# KiCad board PCB.kicad_pcb (continued)
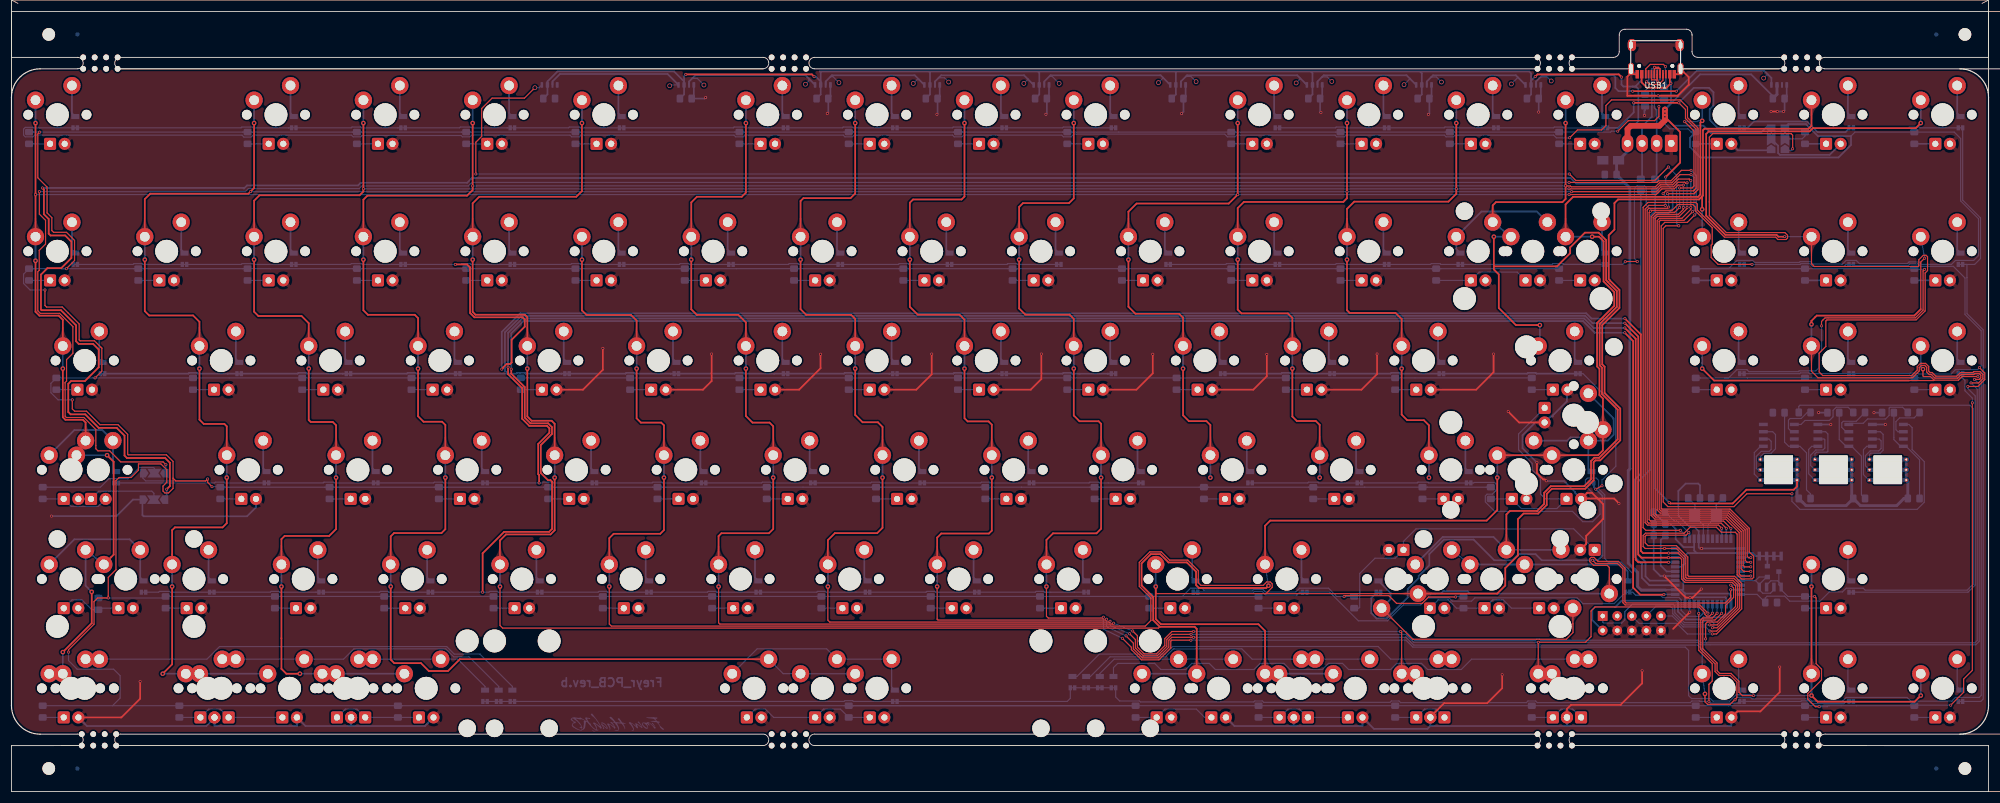
[diagram p0: board, top side]
## Copper pours and planes (outline as drawn; the poured copper is in the pictures) (continued)
GND on Bottom: 35.53,11.43 35.54,11.47 35.56,11.52 35.59,11.57 35.63,11.63 35.68,11.7 35.74,11.78 35.82,11.86 35.91,11.96 36.01,12.06 36.12,12.17 35.38,13.44 34.65,12.17 34.76,12.06 34.86,11.96 34.95,11.86 35.02,11.78 35.09,11.7 35.14,11.63 35.18,11.57 35.21,11.52 35.23,11.47 35.23,11.43
GND on Bottom: 49.9,11.43 49.91,11.47 49.92,11.52 49.95,11.57 49.99,11.63 50.05,11.7 50.11,11.78 50.19,11.86 50.27,11.96 50.37,12.06 50.49,12.17 49.75,13.44 49.02,12.17 49.13,12.06 49.23,11.96 49.31,11.86 49.39,11.78 49.45,11.7 49.51,11.63 49.55,11.57 49.58,11.52 49.59,11.47 49.6,11.43
GND on Bottom: 34.08,11.31 34.18,11.42 34.28,11.52 34.4,11.6 34.51,11.67 34.64,11.73 34.77,11.78 34.91,11.82 35.06,11.85 35.21,11.87 35.37,11.87 35.75,13.29 34.33,12.91 34.33,12.75 34.32,12.59 34.3,12.44 34.26,12.29 34.22,12.15 34.17,12.02 34.11,11.89 34.04,11.76 33.96,11.64 33.87,11.53
GND on Bottom: 34.08,11.31 34.18,11.42 34.28,11.52 34.4,11.6 34.51,11.67 34.64,11.73 34.77,11.78 34.91,11.82 35.06,11.85 35.21,11.87 35.37,11.87 35.75,13.29 34.33,12.91 34.33,12.75 34.32,12.59 34.3,12.44 34.26,12.29 34.22,12.15 34.17,12.02 34.11,11.89 34.04,11.76 33.96,11.64 33.87,11.53
GND on Bottom: 12.81,11.98 12.78,12.01 12.77,12.05 12.75,12.11 12.73,12.18 12.72,12.27 12.71,12.37 12.71,12.48 12.7,12.61 12.7,12.75 12.7,12.91 11.28,13.29 11.66,11.87 11.82,11.87 11.96,11.87 12.09,11.86 12.2,11.86 12.3,11.85 12.39,11.84 12.46,11.82 12.52,11.8 12.56,11.79 12.59,11.76
GND on Bottom: 272.43,51.96 272.45,51.93 272.47,51.89 272.49,51.83 272.5,51.76 272.52,51.67 272.52,51.57 272.53,51.46 272.54,51.33 272.54,51.19 272.54,51.03 273.96,50.65 273.58,52.07 273.42,52.07 273.28,52.07 273.15,52.08 273.03,52.08 272.93,52.09 272.85,52.1 272.78,52.12 272.72,52.14 272.67,52.15 272.64,52.18
GND on Bottom: 265.62,64.2 265.68,64.2 265.75,64.18 265.82,64.15 265.9,64.11 265.98,64.06 266.07,63.99 266.17,63.92 266.27,63.83 266.38,63.73 266.49,63.62 267.76,64.35 266.49,65.09 266.38,64.98 266.27,64.88 266.17,64.79 266.07,64.72 265.98,64.65 265.9,64.6 265.82,64.56 265.75,64.53 265.68,64.51 265.62,64.5
GND on Bottom: 268.18,65.51 268.15,65.49 268.11,65.47 268.05,65.45 267.98,65.44 267.89,65.43 267.79,65.42 267.68,65.41 267.55,65.41 267.41,65.4 267.25,65.4 266.87,63.98 268.29,64.37 268.29,64.52 268.29,64.66 268.29,64.79 268.3,64.91 268.31,65.01 268.32,65.09 268.34,65.17 268.35,65.22 268.37,65.27 268.39,65.3
GND on Bottom: 271.27,68.04 271.29,68.18 271.32,68.32 271.37,68.45 271.42,68.58 271.48,68.71 271.55,68.84 271.64,68.96 271.73,69.09 271.83,69.2 271.94,69.32 271.21,70.59 270.47,69.32 270.58,69.2 270.68,69.09 270.76,68.96 270.83,68.84 270.89,68.71 270.93,68.58 270.96,68.45 270.98,68.32 270.98,68.18 270.97,68.04
GND on Bottom: 301.01,111.91 300.98,111.96 300.94,112.01 300.92,112.08 300.89,112.17 300.87,112.26 300.86,112.37 300.84,112.49 300.84,112.62 300.83,112.76 300.83,112.92 299.41,113.3 299.79,111.88 299.95,111.88 300.09,111.88 300.23,111.87 300.35,111.86 300.45,111.84 300.55,111.82 300.63,111.8 300.7,111.77 300.76,111.74 300.8,111.7
GND on Bottom: 0,13 0,15.01 0,121 0,123.5 1,125.01 2.5,126 4.61,126.01 283,126.01 283,132.01 291,132.01 291,126.01 339.5,126.01 342.11,126.01 343.61,125.01 344.61,123.51 344.61,13.01 343.61,11.01 341.61,10.01 340,10.01 5,10.01 2.5,10 1,11
VCC on Top: 281.18,114.31 281.18,114.24 281.18,114.16 281.17,114.1 281.15,114.03 281.13,113.97 281.11,113.91 281.09,113.86 281.06,113.81 281.02,113.77 280.98,113.73 281.68,112.51 282.38,113.73 282.35,113.77 282.31,113.81 282.28,113.86 282.26,113.91 282.23,113.97 282.22,114.03 282.2,114.1 282.19,114.16 282.19,114.24 282.18,114.31
VCC on Bottom: 281.53,115 281.53,114.85 281.51,114.71 281.48,114.58 281.45,114.44 281.4,114.31 281.34,114.19 281.26,114.07 281.18,113.95 281.09,113.84 280.98,113.73 281.68,112.51 282.38,113.73 282.28,113.84 282.19,113.95 282.1,114.07 282.03,114.19 281.97,114.31 281.92,114.44 281.88,114.58 281.86,114.71 281.84,114.85 281.83,115
VCC on Bottom: 276.06,29.16 276.14,29.07 276.22,28.97 276.29,28.87 276.35,28.77 276.4,28.66 276.44,28.55 276.47,28.44 276.49,28.32 276.5,28.2 276.51,28.08 277.66,27.77 277.35,28.92 277.22,28.93 277.1,28.94 276.99,28.96 276.88,28.99 276.77,29.03 276.66,29.08 276.56,29.14 276.46,29.21 276.36,29.29 276.27,29.37
VCC on Bottom: 281.93,111.63 281.94,111.68 281.95,111.73 281.97,111.79 282.01,111.85 282.05,111.91 282.1,111.98 282.15,112.05 282.22,112.13 282.3,112.21 282.38,112.3 281.68,113.51 280.98,112.3 281.07,112.21 281.15,112.13 281.21,112.05 281.27,111.98 281.32,111.91 281.36,111.85 281.39,111.79 281.42,111.73 281.43,111.68 281.43,111.63
/Caps_LED on Bottom: 289.33,30.71 289.19,30.72 289.05,30.73 288.92,30.76 288.79,30.79 288.67,30.84 288.55,30.89 288.44,30.96 288.33,31.03 288.22,31.11 288.12,31.21 287.09,30.61 288.12,30.02 288.22,30.11 288.33,30.2 288.44,30.27 288.55,30.34 288.67,30.39 288.79,30.43 288.92,30.47 289.05,30.49 289.19,30.51 289.33,30.51
/Col1 on Top: 4.04,100 4.03,99.74 4,99.49 3.96,99.25 3.9,99.02 3.81,98.8 3.72,98.58 3.6,98.38 3.46,98.18 3.31,97.99 3.14,97.81 4.19,95.99 5.24,97.81 5.07,97.99 4.92,98.18 4.78,98.38 4.66,98.58 4.56,98.8 4.48,99.02 4.42,99.25 4.38,99.49 4.35,99.74 4.34,100
/Col1 on Top: 208.83,61.9 208.82,61.64 208.79,61.39 208.75,61.15 208.68,60.92 208.6,60.7 208.5,60.48 208.39,60.28 208.25,60.08 208.1,59.89 207.93,59.71 208.98,57.89 210.03,59.71 209.86,59.89 209.7,60.08 209.57,60.28 209.45,60.48 209.35,60.7 209.27,60.92 209.21,61.15 209.16,61.39 209.14,61.64 209.13,61.9
/Col1 on Top: 204.06,80.95 204.06,80.69 204.03,80.44 203.98,80.2 203.92,79.97 203.84,79.75 203.74,79.53 203.62,79.33 203.49,79.13 203.34,78.94 203.16,78.76 204.21,76.94 205.26,78.76 205.09,78.94 204.94,79.13 204.81,79.33 204.69,79.53 204.59,79.75 204.51,79.97 204.45,80.2 204.4,80.44 204.37,80.69 204.36,80.95
/Col1 on Top: 194.54,100 194.53,99.74 194.5,99.49 194.46,99.25 194.4,99.02 194.31,98.8 194.22,98.58 194.1,98.38 193.96,98.18 193.81,97.99 193.64,97.81 194.69,95.99 195.74,97.81 195.57,97.99 195.42,98.18 195.28,98.38 195.16,98.58 195.06,98.8 194.98,99.02 194.92,99.25 194.88,99.49 194.85,99.74 194.84,100
/Col1 on Top: 12.77,64.35 12.76,64.11 12.73,63.88 12.69,63.65 12.63,63.43 12.55,63.22 12.45,63.01 12.33,62.81 12.19,62.62 12.04,62.43 11.87,62.25 12.92,60.43 13.97,62.25 13.8,62.43 13.65,62.62 13.51,62.81 13.39,63.01 13.3,63.22 13.21,63.43 13.15,63.65 13.11,63.88 13.08,64.11 13.07,64.35
/Col1 on Top: 8.8,80.95 8.79,80.69 8.77,80.44 8.72,80.2 8.66,79.97 8.58,79.75 8.48,79.53 8.36,79.33 8.23,79.13 8.07,78.94 7.9,78.76 8.95,76.94 10,78.76 9.83,78.94 9.68,79.13 9.54,79.33 9.43,79.53 9.33,79.75 9.25,79.97 9.18,80.2 9.14,80.44 9.11,80.69 9.1,80.95
/Col1 on Top: 11.46,58.56 11.58,58.73 11.71,58.89 11.85,59.04 12.01,59.17 12.18,59.29 12.37,59.4 12.57,59.5 12.78,59.58 13,59.65 13.24,59.71 13.32,61.82 11.46,60.83 11.51,60.59 11.55,60.35 11.56,60.12 11.56,59.9 11.55,59.69 11.51,59.48 11.46,59.28 11.39,59.09 11.31,58.9 11.21,58.72
/Col1 on Top: 12.79,61.26 12.68,61.09 12.55,60.93 12.4,60.78 12.24,60.65 12.07,60.53 11.89,60.42 11.69,60.32 11.48,60.24 11.25,60.17 11.01,60.1 10.94,58 12.79,58.99 12.74,59.23 12.71,59.47 12.69,59.7 12.69,59.92 12.71,60.13 12.74,60.34 12.79,60.54 12.86,60.73 12.95,60.92 13.05,61.1
/Col1 on Bottom: 13.07,38.87 13.08,39.13 13.11,39.38 13.15,39.62 13.21,39.85 13.3,40.07 13.39,40.29 13.51,40.49 13.65,40.69 13.8,40.88 13.97,41.06 12.92,42.88 11.87,41.06 12.04,40.88 12.19,40.69 12.33,40.49 12.45,40.29 12.55,40.07 12.63,39.85 12.69,39.62 12.73,39.38 12.76,39.13 12.77,38.87
/Col1 on Bottom: 8.8,23.8 8.79,23.54 8.77,23.29 8.72,23.05 8.66,22.82 8.58,22.6 8.48,22.38 8.36,22.18 8.23,21.98 8.07,21.79 7.9,21.61 8.95,19.79 10,21.61 9.83,21.79 9.68,21.98 9.54,22.18 9.43,22.38 9.33,22.6 9.25,22.82 9.18,23.05 9.14,23.29 9.11,23.54 9.1,23.8
/Col1 on Bottom: 8.95,20.69 8.86,20.7 8.76,20.73 8.65,20.77 8.54,20.83 8.41,20.91 8.27,21.01 8.13,21.13 7.98,21.27 7.81,21.42 7.64,21.59 5.82,20.54 7.64,19.49 7.81,19.66 7.98,19.81 8.13,19.95 8.27,20.07 8.41,20.16 8.54,20.25 8.65,20.31 8.76,20.35 8.86,20.38 8.95,20.39
/Col1 on Bottom: 6.57,20.39 6.66,20.38 6.76,20.35 6.87,20.31 6.99,20.25 7.11,20.16 7.25,20.07 7.39,19.95 7.55,19.81 7.71,19.66 7.88,19.49 9.7,20.54 7.88,21.59 7.71,21.42 7.55,21.27 7.39,21.13 7.25,21.01 7.11,20.91 6.99,20.83 6.87,20.77 6.76,20.73 6.66,20.7 6.57,20.69
/Col1 on Bottom: 14.59,58.79 14.34,58.8 14.09,58.83 13.85,58.87 13.62,58.93 13.39,59.01 13.18,59.11 12.97,59.23 12.77,59.37 12.58,59.52 12.4,59.69 10.58,58.64 12.4,57.59 12.58,57.76 12.77,57.91 12.97,58.05 13.18,58.17 13.39,58.26 13.62,58.35 13.85,58.41 14.09,58.45 14.34,58.48 14.59,58.49
/Col1 on Bottom: 15.56,40.21 15.36,40.38 15.19,40.55 15.03,40.74 14.89,40.93 14.76,41.14 14.66,41.35 14.57,41.57 14.5,41.8 14.45,42.03 14.41,42.28 12.33,42.6 13.1,40.64 13.35,40.66 13.59,40.66 13.83,40.64 14.06,40.61 14.29,40.55 14.52,40.47 14.74,40.38 14.95,40.26 15.17,40.13 15.37,39.98
/Col1 on Bottom: 13.46,41.51 13.65,41.34 13.83,41.16 13.99,40.98 14.13,40.79 14.25,40.58 14.36,40.37 14.45,40.15 14.52,39.92 14.57,39.69 14.6,39.44 16.68,39.12 15.91,41.08 15.67,41.06 15.42,41.06 15.19,41.07 14.95,41.11 14.72,41.17 14.5,41.25 14.28,41.34 14.06,41.46 13.85,41.59 13.64,41.74
/Col1 on Bottom: 209.13,55.38 209.14,55.64 209.16,55.89 209.21,56.13 209.27,56.36 209.35,56.58 209.45,56.8 209.57,57 209.7,57.2 209.86,57.39 210.03,57.57 208.98,59.39 207.93,57.57 208.1,57.39 208.25,57.2 208.39,57 208.5,56.8 208.6,56.58 208.68,56.36 208.75,56.13 208.79,55.89 208.82,55.64 208.83,55.38
/Col1 on Bottom: 204.36,74.43 204.37,74.69 204.4,74.94 204.45,75.18 204.51,75.41 204.59,75.63 204.69,75.85 204.81,76.05 204.94,76.25 205.09,76.44 205.26,76.62 204.21,78.44 203.16,76.62 203.34,76.44 203.49,76.25 203.62,76.05 203.74,75.85 203.84,75.63 203.92,75.41 203.98,75.18 204.03,74.94 204.06,74.69 204.06,74.43
/Col1 on Bottom: 9.1,74.43 9.11,74.69 9.14,74.94 9.18,75.18 9.25,75.41 9.33,75.63 9.43,75.85 9.54,76.05 9.68,76.25 9.83,76.44 10,76.62 8.95,78.44 7.9,76.62 8.07,76.44 8.23,76.25 8.36,76.05 8.48,75.85 8.58,75.63 8.66,75.41 8.72,75.18 8.77,74.94 8.79,74.69 8.8,74.43
/Col1 on Bottom: 4.34,93.48 4.35,93.74 4.38,93.99 4.42,94.23 4.48,94.46 4.56,94.68 4.66,94.9 4.78,95.1 4.92,95.3 5.07,95.49 5.24,95.67 4.19,97.49 3.14,95.67 3.31,95.49 3.46,95.3 3.6,95.1 3.72,94.9 3.81,94.68 3.9,94.46 3.96,94.23 4,93.99 4.03,93.74 4.04,93.48
/Col1 on Bottom: 194.84,93.48 194.85,93.74 194.88,93.99 194.92,94.23 194.98,94.46 195.06,94.68 195.16,94.9 195.28,95.1 195.42,95.3 195.57,95.49 195.74,95.67 194.69,97.49 193.64,95.67 193.81,95.49 193.96,95.3 194.1,95.1 194.22,94.9 194.31,94.68 194.4,94.46 194.46,94.23 194.5,93.99 194.53,93.74 194.54,93.48
/Col1 on Bottom: 213.89,117.29 213.9,117.55 213.93,117.8 213.97,118.04 214.03,118.27 214.11,118.49 214.21,118.71 214.33,118.91 214.47,119.11 214.62,119.3 214.79,119.48 213.74,121.3 212.69,119.48 212.86,119.3 213.01,119.11 213.15,118.91 213.27,118.71 213.36,118.49 213.45,118.27 213.51,118.04 213.55,117.8 213.58,117.55 213.59,117.29
/Col1 on Bottom: 4.34,117.29 4.35,117.55 4.38,117.8 4.42,118.04 4.48,118.27 4.56,118.49 4.66,118.71 4.78,118.91 4.92,119.11 5.07,119.3 5.24,119.48 4.19,121.3 3.14,119.48 3.31,119.3 3.46,119.11 3.6,118.91 3.72,118.71 3.81,118.49 3.9,118.27 3.96,118.04 4,117.8 4.03,117.55 4.04,117.29
/Col2 on Top: 227.88,61.9 227.87,61.64 227.84,61.39 227.8,61.15 227.73,60.92 227.65,60.7 227.55,60.48 227.44,60.28 227.3,60.08 227.15,59.89 226.98,59.71 228.03,57.89 229.08,59.71 228.91,59.89 228.75,60.08 228.62,60.28 228.5,60.48 228.4,60.7 228.32,60.92 228.26,61.15 228.21,61.39 228.19,61.64 228.18,61.9
/Col2 on Top: 223.11,80.95 223.11,80.69 223.08,80.44 223.03,80.2 222.97,79.97 222.89,79.75 222.79,79.53 222.67,79.33 222.54,79.13 222.39,78.94 222.21,78.76 223.26,76.94 224.31,78.76 224.14,78.94 223.99,79.13 223.86,79.33 223.74,79.53 223.64,79.75 223.56,79.97 223.5,80.2 223.45,80.44 223.42,80.69 223.41,80.95
/Col2 on Top: 213.59,100 213.58,99.74 213.55,99.49 213.51,99.25 213.45,99.02 213.36,98.8 213.27,98.58 213.15,98.38 213.01,98.18 212.86,97.99 212.69,97.81 213.74,95.99 214.79,97.81 214.62,97.99 214.47,98.18 214.33,98.38 214.21,98.58 214.11,98.8 214.03,99.02 213.97,99.25 213.93,99.49 213.9,99.74 213.89,100
/Col2 on Top: 37.38,61.9 37.37,61.64 37.34,61.39 37.3,61.15 37.23,60.92 37.15,60.7 37.05,60.48 36.94,60.28 36.8,60.08 36.65,59.89 36.48,59.71 37.53,57.89 38.58,59.71 38.41,59.89 38.25,60.08 38.12,60.28 38,60.48 37.9,60.7 37.82,60.92 37.76,61.15 37.71,61.39 37.69,61.64 37.68,61.9
/Col2 on Top: 32.61,80.95 32.61,80.69 32.58,80.44 32.53,80.2 32.47,79.97 32.39,79.75 32.29,79.53 32.17,79.33 32.04,79.13 31.89,78.94 31.71,78.76 32.76,76.94 33.81,78.76 33.64,78.94 33.49,79.13 33.36,79.33 33.24,79.53 33.14,79.75 33.06,79.97 33,80.2 32.95,80.44 32.92,80.69 32.91,80.95
/Col2 on Top: 23.09,100 23.08,99.74 23.05,99.49 23.01,99.25 22.95,99.02 22.86,98.8 22.77,98.58 22.65,98.38 22.51,98.18 22.36,97.99 22.19,97.81 23.24,95.99 24.29,97.81 24.12,97.99 23.97,98.18 23.83,98.38 23.71,98.58 23.61,98.8 23.53,99.02 23.47,99.25 23.43,99.49 23.4,99.74 23.39,100
/Col2 on Bottom: 27.12,20.39 27.38,20.38 27.63,20.35 27.87,20.31 28.1,20.25 28.32,20.16 28.54,20.07 28.74,19.95 28.94,19.81 29.13,19.66 29.31,19.49 31.13,20.54 29.31,21.59 29.13,21.42 28.94,21.27 28.74,21.13 28.54,21.01 28.32,20.91 28.1,20.83 27.87,20.77 27.63,20.73 27.38,20.7 27.12,20.69
/Col2 on Bottom: 32.76,20.69 32.67,20.7 32.57,20.73 32.47,20.77 32.35,20.83 32.22,20.91 32.09,21.01 31.94,21.13 31.79,21.27 31.63,21.42 31.45,21.59 29.63,20.54 31.45,19.49 31.63,19.66 31.79,19.81 31.94,19.95 32.09,20.07 32.22,20.16 32.35,20.25 32.47,20.31 32.57,20.35 32.67,20.38 32.76,20.39
/Col2 on Bottom: 30.38,20.39 30.47,20.38 30.57,20.35 30.68,20.31 30.8,20.25 30.92,20.16 31.06,20.07 31.2,19.95 31.36,19.81 31.52,19.66 31.69,19.49 33.51,20.54 31.69,21.59 31.52,21.42 31.36,21.27 31.2,21.13 31.06,21.01 30.92,20.91 30.8,20.83 30.68,20.77 30.57,20.73 30.47,20.7 30.38,20.69
/Col2 on Bottom: 41.41,20.39 41.67,20.38 41.92,20.35 42.16,20.31 42.39,20.25 42.61,20.16 42.83,20.07 43.03,19.95 43.23,19.81 43.42,19.66 43.6,19.49 45.42,20.54 43.6,21.59 43.42,21.42 43.23,21.27 43.03,21.13 42.83,21.01 42.61,20.91 42.39,20.83 42.16,20.77 41.92,20.73 41.67,20.7 41.41,20.69
/Col2 on Bottom: 36.02,20.69 35.77,20.7 35.52,20.73 35.28,20.77 35.05,20.83 34.82,20.91 34.61,21.01 34.4,21.13 34.21,21.27 34.02,21.42 33.84,21.59 32.01,20.54 33.84,19.49 34.02,19.66 34.21,19.81 34.4,19.95 34.61,20.07 34.82,20.16 35.05,20.25 35.28,20.31 35.52,20.35 35.77,20.38 36.02,20.39
/Col2 on Bottom: 28.15,36.33 28.16,36.59 28.19,36.84 28.23,37.08 28.3,37.31 28.38,37.53 28.48,37.75 28.59,37.95 28.73,38.15 28.88,38.34 29.05,38.52 28,40.34 26.95,38.52 27.12,38.34 27.28,38.15 27.41,37.95 27.53,37.75 27.63,37.53 27.71,37.31 27.77,37.08 27.82,36.84 27.84,36.59 27.85,36.33
/Col2 on Bottom: 37.68,55.38 37.69,55.64 37.71,55.89 37.76,56.13 37.82,56.36 37.9,56.58 38,56.8 38.12,57 38.25,57.2 38.41,57.39 38.58,57.57 37.53,59.39 36.48,57.57 36.65,57.39 36.8,57.2 36.94,57 37.05,56.8 37.15,56.58 37.23,56.36 37.3,56.13 37.34,55.89 37.37,55.64 37.38,55.38
/Col2 on Bottom: 228.18,55.38 228.19,55.64 228.21,55.89 228.26,56.13 228.32,56.36 228.4,56.58 228.5,56.8 228.62,57 228.75,57.2 228.91,57.39 229.08,57.57 228.03,59.39 226.98,57.57 227.15,57.39 227.3,57.2 227.44,57 227.55,56.8 227.65,56.58 227.73,56.36 227.8,56.13 227.84,55.89 227.87,55.64 227.88,55.38
/Col2 on Bottom: 223.41,74.43 223.42,74.69 223.45,74.94 223.5,75.18 223.56,75.41 223.64,75.63 223.74,75.85 223.86,76.05 223.99,76.25 224.14,76.44 224.31,76.62 223.26,78.44 222.21,76.62 222.39,76.44 222.54,76.25 222.67,76.05 222.79,75.85 222.89,75.63 222.97,75.41 223.03,75.18 223.08,74.94 223.11,74.69 223.11,74.43
/Col2 on Bottom: 32.91,74.43 32.92,74.69 32.95,74.94 33,75.18 33.06,75.41 33.14,75.63 33.24,75.85 33.36,76.05 33.49,76.25 33.64,76.44 33.81,76.62 32.76,78.44 31.71,76.62 31.89,76.44 32.04,76.25 32.17,76.05 32.29,75.85 32.39,75.63 32.47,75.41 32.53,75.18 32.58,74.94 32.61,74.69 32.61,74.43
/Col2 on Bottom: 23.39,93.48 23.4,93.74 23.43,93.99 23.47,94.23 23.53,94.46 23.61,94.68 23.71,94.9 23.83,95.1 23.97,95.3 24.12,95.49 24.29,95.67 23.24,97.49 22.19,95.67 22.36,95.49 22.51,95.3 22.65,95.1 22.77,94.9 22.86,94.68 22.95,94.46 23.01,94.23 23.05,93.99 23.08,93.74 23.09,93.48
/Col2 on Bottom: 213.89,93.48 213.9,93.74 213.93,93.99 213.97,94.23 214.03,94.46 214.11,94.68 214.21,94.9 214.33,95.1 214.47,95.3 214.62,95.49 214.79,95.67 213.74,97.49 212.69,95.67 212.86,95.49 213.01,95.3 213.15,95.1 213.27,94.9 213.36,94.68 213.45,94.46 213.51,94.23 213.55,93.99 213.58,93.74 213.59,93.48
/Col2 on Bottom: 232.94,118.43 232.95,118.47 232.98,118.53 233.02,118.6 233.08,118.68 233.16,118.78 233.26,118.89 233.38,119.02 233.52,119.16 233.67,119.31 233.84,119.48 232.79,121.3 231.74,119.48 231.91,119.31 232.06,119.16 232.2,119.02 232.32,118.89 232.41,118.78 232.5,118.68 232.56,118.6 232.6,118.53 232.63,118.47 232.64,118.43
/Col2 on Bottom: 42.44,117.29 42.45,117.55 42.48,117.8 42.52,118.04 42.58,118.27 42.66,118.49 42.76,118.71 42.88,118.91 43.02,119.11 43.17,119.3 43.34,119.48 42.29,121.3 41.24,119.48 41.41,119.3 41.56,119.11 41.7,118.91 41.82,118.71 41.91,118.49 42,118.27 42.06,118.04 42.1,117.8 42.13,117.55 42.14,117.29
/Col3 on Top: 246.93,61.9 246.92,61.64 246.89,61.39 246.85,61.15 246.78,60.92 246.7,60.7 246.6,60.48 246.49,60.28 246.35,60.08 246.2,59.89 246.03,59.71 247.08,57.89 248.13,59.71 247.96,59.89 247.8,60.08 247.67,60.28 247.55,60.48 247.45,60.7 247.37,60.92 247.31,61.15 247.26,61.39 247.24,61.64 247.23,61.9
/Col3 on Top: 242.16,80.95 242.16,80.69 242.13,80.44 242.08,80.2 242.02,79.97 241.94,79.75 241.84,79.53 241.72,79.33 241.59,79.13 241.44,78.94 241.26,78.76 242.31,76.94 243.36,78.76 243.19,78.94 243.04,79.13 242.91,79.33 242.79,79.53 242.69,79.75 242.61,79.97 242.55,80.2 242.5,80.44 242.47,80.69 242.46,80.95
/Col3 on Top: 232.64,100 232.63,99.74 232.6,99.49 232.56,99.25 232.5,99.02 232.41,98.8 232.32,98.58 232.2,98.38 232.06,98.18 231.91,97.99 231.74,97.81 232.79,95.99 233.84,97.81 233.67,97.99 233.52,98.18 233.38,98.38 233.26,98.58 233.16,98.8 233.08,99.02 233.02,99.25 232.98,99.49 232.95,99.74 232.94,100
/Col3 on Top: 54.2,20.39 54.29,20.38 54.38,20.35 54.49,20.31 54.61,20.25 54.74,20.16 54.87,20.07 55.02,19.95 55.17,19.81 55.33,19.66 55.51,19.49 57.33,20.54 55.51,21.59 55.33,21.42 55.17,21.27 55.02,21.13 54.87,21.01 54.74,20.91 54.61,20.83 54.49,20.77 54.38,20.73 54.29,20.7 54.2,20.69
/Col3 on Top: 56.58,20.69 56.49,20.7 56.39,20.73 56.28,20.77 56.16,20.83 56.04,20.91 55.9,21.01 55.76,21.13 55.6,21.27 55.44,21.42 55.27,21.59 53.45,20.54 55.27,19.49 55.44,19.66 55.6,19.81 55.76,19.95 55.9,20.07 56.04,20.16 56.16,20.25 56.28,20.31 56.39,20.35 56.49,20.38 56.58,20.39
/Col3 on Top: 46.9,42.85 46.89,42.59 46.87,42.34 46.82,42.1 46.76,41.87 46.68,41.65 46.58,41.43 46.46,41.23 46.33,41.03 46.17,40.84 46,40.66 47.05,38.84 48.1,40.66 47.93,40.84 47.78,41.03 47.64,41.23 47.53,41.43 47.43,41.65 47.35,41.87 47.28,42.1 47.24,42.34 47.21,42.59 47.2,42.85
/Col3 on Top: 56.43,61.9 56.42,61.64 56.39,61.39 56.35,61.15 56.28,60.92 56.2,60.7 56.1,60.48 55.99,60.28 55.85,60.08 55.7,59.89 55.53,59.71 56.58,57.89 57.63,59.71 57.46,59.89 57.3,60.08 57.17,60.28 57.05,60.48 56.95,60.7 56.87,60.92 56.81,61.15 56.76,61.39 56.74,61.64 56.73,61.9
/Col3 on Top: 51.66,80.95 51.66,80.69 51.63,80.44 51.58,80.2 51.52,79.97 51.44,79.75 51.34,79.53 51.22,79.33 51.09,79.13 50.94,78.94 50.76,78.76 51.81,76.94 52.86,78.76 52.69,78.94 52.54,79.13 52.41,79.33 52.29,79.53 52.19,79.75 52.11,79.97 52.05,80.2 52,80.44 51.97,80.69 51.96,80.95
/Col3 on Top: 42.14,100 42.13,99.74 42.1,99.49 42.06,99.25 42,99.02 41.91,98.8 41.82,98.58 41.7,98.38 41.56,98.18 41.41,97.99 41.24,97.81 42.29,95.99 43.34,97.81 43.17,97.99 43.02,98.18 42.88,98.38 42.76,98.58 42.66,98.8 42.58,99.02 42.52,99.25 42.48,99.49 42.45,99.74 42.44,100
/Col3 on Bottom: 50.94,20.39 51.19,20.38 51.44,20.35 51.68,20.31 51.91,20.25 52.14,20.16 52.35,20.07 52.56,19.95 52.75,19.81 52.94,19.66 53.12,19.49 54.95,20.54 53.12,21.59 52.94,21.42 52.75,21.27 52.56,21.13 52.35,21.01 52.14,20.91 51.91,20.83 51.68,20.77 51.44,20.73 51.19,20.7 50.94,20.69
/Col3 on Bottom: 59.84,20.69 59.58,20.7 59.33,20.73 59.09,20.77 58.86,20.83 58.64,20.91 58.42,21.01 58.22,21.13 58.02,21.27 57.83,21.42 57.65,21.59 55.83,20.54 57.65,19.49 57.83,19.66 58.02,19.81 58.22,19.95 58.42,20.07 58.64,20.16 58.86,20.25 59.09,20.31 59.33,20.35 59.58,20.38 59.84,20.39
/Col3 on Bottom: 65.22,20.39 65.48,20.38 65.73,20.35 65.97,20.31 66.2,20.25 66.42,20.16 66.64,20.07 66.84,19.95 67.04,19.81 67.23,19.66 67.41,19.49 69.23,20.54 67.41,21.59 67.23,21.42 67.04,21.27 66.84,21.13 66.64,21.01 66.42,20.91 66.2,20.83 65.97,20.77 65.73,20.73 65.48,20.7 65.22,20.69
/Col3 on Bottom: 56.73,55.59 56.74,55.81 56.76,56.02 56.81,56.23 56.87,56.43 56.95,56.63 57.05,56.83 57.17,57.02 57.3,57.21 57.46,57.39 57.63,57.57 56.58,59.39 55.53,57.57 55.7,57.39 55.85,57.21 55.99,57.02 56.1,56.83 56.2,56.63 56.28,56.43 56.35,56.23 56.39,56.02 56.42,55.81 56.43,55.59
/Col3 on Bottom: 247.23,55.38 247.24,55.64 247.26,55.89 247.31,56.13 247.37,56.36 247.45,56.58 247.55,56.8 247.67,57 247.8,57.2 247.96,57.39 248.13,57.57 247.08,59.39 246.03,57.57 246.2,57.39 246.35,57.2 246.49,57 246.6,56.8 246.7,56.58 246.78,56.36 246.85,56.13 246.89,55.89 246.92,55.64 246.93,55.38
/Col3 on Bottom: 242.46,74.43 242.47,74.69 242.5,74.94 242.55,75.18 242.61,75.41 242.69,75.63 242.79,75.85 242.91,76.05 243.04,76.25 243.19,76.44 243.36,76.62 242.31,78.44 241.26,76.62 241.44,76.44 241.59,76.25 241.72,76.05 241.84,75.85 241.94,75.63 242.02,75.41 242.08,75.18 242.13,74.94 242.16,74.69 242.16,74.43
/Col3 on Bottom: 51.96,74.43 51.97,74.69 52,74.94 52.05,75.18 52.11,75.41 52.19,75.63 52.29,75.85 52.41,76.05 52.54,76.25 52.69,76.44 52.86,76.62 51.81,78.44 50.76,76.62 50.94,76.44 51.09,76.25 51.22,76.05 51.34,75.85 51.44,75.63 51.52,75.41 51.58,75.18 51.63,74.94 51.66,74.69 51.66,74.43
/Col3 on Bottom: 42.44,93.69 42.45,93.91 42.48,94.12 42.52,94.33 42.58,94.53 42.66,94.73 42.76,94.93 42.88,95.12 43.02,95.31 43.17,95.49 43.34,95.67 42.29,97.49 41.24,95.67 41.41,95.49 41.56,95.31 41.7,95.12 41.82,94.93 41.91,94.73 42,94.53 42.06,94.33 42.1,94.12 42.13,93.91 42.14,93.69
/Col3 on Bottom: 232.94,93.48 232.95,93.74 232.98,93.99 233.02,94.23 233.08,94.46 233.16,94.68 233.26,94.9 233.38,95.1 233.52,95.3 233.67,95.49 233.84,95.67 232.79,97.49 231.74,95.67 231.91,95.49 232.06,95.3 232.2,95.1 232.32,94.9 232.41,94.68 232.5,94.46 232.56,94.23 232.6,93.99 232.63,93.74 232.64,93.48
/Col3 on Bottom: 251.99,118.43 252,118.47 252.03,118.53 252.07,118.6 252.13,118.68 252.21,118.78 252.31,118.89 252.43,119.02 252.57,119.16 252.72,119.31 252.89,119.48 251.84,121.3 250.79,119.48 250.96,119.31 251.11,119.16 251.25,119.02 251.37,118.89 251.46,118.78 251.55,118.68 251.61,118.6 251.65,118.53 251.68,118.47 251.69,118.43
/Col3 on Bottom: 47.2,36.33 47.21,36.59 47.24,36.84 47.28,37.08 47.35,37.31 47.43,37.53 47.53,37.75 47.64,37.95 47.78,38.15 47.93,38.34 48.1,38.52 47.05,40.34 46,38.52 46.17,38.34 46.33,38.15 46.46,37.95 46.58,37.75 46.68,37.53 46.76,37.31 46.82,37.08 46.87,36.84 46.89,36.59 46.9,36.33
/Col4 on Top: 128.72,22.93 128.98,22.92 129.23,22.89 129.47,22.85 129.7,22.79 129.92,22.7 130.14,22.61 130.34,22.49 130.54,22.35 130.73,22.2 130.91,22.03 132.73,23.08 130.91,24.13 130.73,23.96 130.54,23.81 130.34,23.67 130.14,23.55 129.92,23.45 129.7,23.37 129.47,23.31 129.23,23.27 128.98,23.24 128.72,23.23
/Col4 on Top: 260.42,45.39 260.41,45.13 260.38,44.88 260.34,44.64 260.28,44.41 260.2,44.19 260.1,43.97 259.98,43.77 259.84,43.57 259.69,43.38 259.52,43.2 260.57,41.38 261.62,43.2 261.45,43.38 261.3,43.57 261.16,43.77 261.04,43.97 260.95,44.19 260.86,44.41 260.8,44.64 260.76,44.88 260.73,45.13 260.72,45.39
/Col4 on Top: 258.04,102.2 258.03,102 258,101.81 257.96,101.63 257.9,101.44 257.81,101.25 257.72,101.07 257.6,100.89 257.46,100.71 257.31,100.53 257.14,100.35 258.19,98.53 259.24,100.35 259.07,100.53 258.92,100.71 258.78,100.89 258.66,101.07 258.56,101.25 258.48,101.44 258.42,101.63 258.38,101.81 258.35,102 258.34,102.2
/Col4 on Top: 65.95,42.85 65.94,42.59 65.92,42.34 65.87,42.1 65.81,41.87 65.73,41.65 65.63,41.43 65.51,41.23 65.38,41.03 65.22,40.84 65.05,40.66 66.1,38.84 67.15,40.66 66.98,40.84 66.83,41.03 66.69,41.23 66.58,41.43 66.48,41.65 66.4,41.87 66.33,42.1 66.29,42.34 66.26,42.59 66.25,42.85
/Col4 on Top: 75.48,61.9 75.47,61.64 75.44,61.39 75.4,61.15 75.33,60.92 75.25,60.7 75.15,60.48 75.04,60.28 74.9,60.08 74.75,59.89 74.58,59.71 75.63,57.89 76.68,59.71 76.51,59.89 76.35,60.08 76.22,60.28 76.1,60.48 76,60.7 75.92,60.92 75.86,61.15 75.81,61.39 75.79,61.64 75.78,61.9
/Col4 on Top: 70.71,80.95 70.71,80.69 70.68,80.44 70.63,80.2 70.57,79.97 70.49,79.75 70.39,79.53 70.27,79.33 70.14,79.13 69.99,78.94 69.81,78.76 70.86,76.94 71.91,78.76 71.74,78.94 71.59,79.13 71.46,79.33 71.34,79.53 71.24,79.75 71.16,79.97 71.1,80.2 71.05,80.44 71.02,80.69 71.01,80.95
